# Altium PCB Booster_Main_Board.PcbDoc (part 7 of 11) (continued)
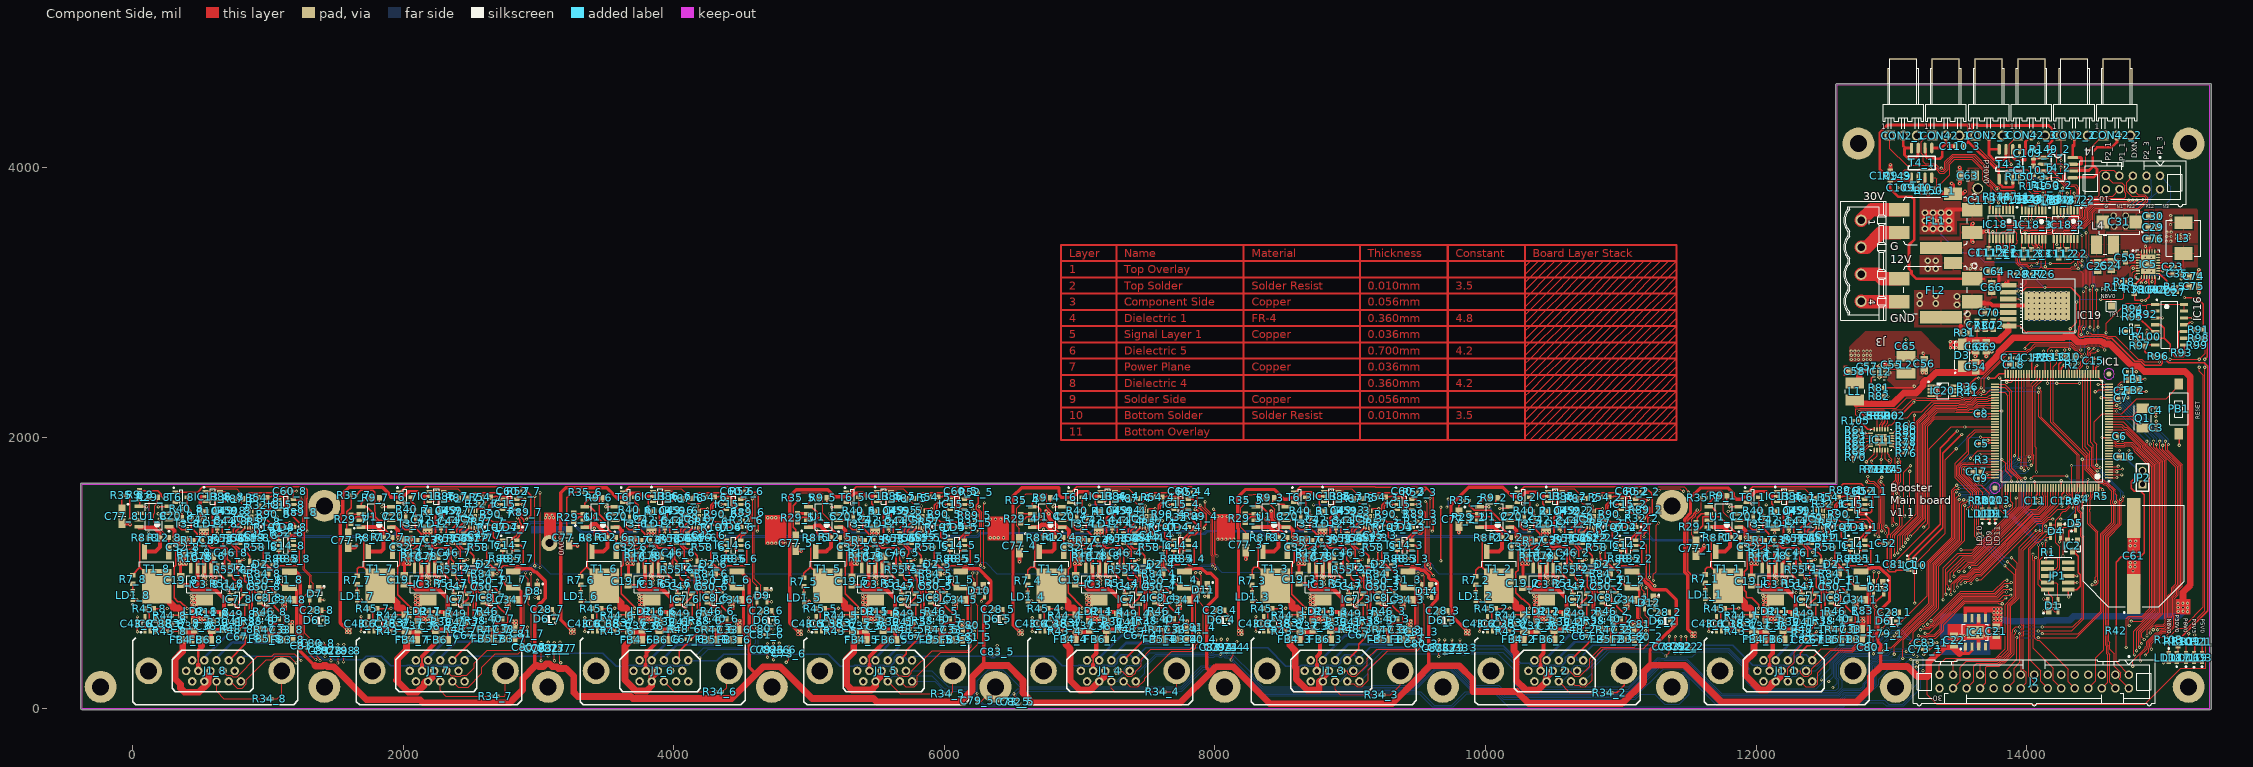
[diagram p0: Component Side view]
## Nets (pads, with @x,y where several pads share a name; then routed paths per layer and width w, separated by ;. In a path a pad name is that pad's centre, name@x,y a point inside that pad or via, vN(x,y) a via of type N, cw(c..) or ccw(c..) an arc to the next point about the centre after c; other vN are vias at no path point) (continued)
NetC40_3_2: C40_3.2 IC8_3.4 R47_3.1 | length 362.5
  Component Side w10: 9305.51,625.71 9295.78,625.71 9295.03,626.46 9304.76,626.46 9380.27,626.46 9387.72,633.9 9387.72,682.14 9314.65,755.21 9314.65,771.21 IC8_3.4@9308.26,777.6
  Component Side w20: C40_3.2@9281.22,650 9304.76,626.46 ; 9305.51,625.71 9305.51,580.71 R47_3.1@9306.22,580
NetC40_4_1: C40_4.1 IC8_4.3 R46_4.1 | length 205.4
  Component Side w10: IC8_4.3@7560.72,777.6 7595.13,743.19 7636.13,743.19 7647.68,731.64 R46_4.1@7647.68,715 7647.68,706.64 7690.67,663.65 C40_4.1@7690.67,650
NetC40_4_2: C40_4.2 IC8_4.4 R47_4.1 | length 362.5
  Component Side w10: 7651.97,625.71 7642.24,625.71 7641.49,626.46 7651.22,626.46 7726.72,626.46 7734.17,633.9 7734.17,682.14 7661.1,755.21 7661.1,771.21 IC8_4.4@7654.72,777.6
  Component Side w20: C40_4.2@7627.68,650 7651.22,626.46 ; 7651.97,625.71 7651.97,580.71 R47_4.1@7652.68,580
NetC40_5_1: C40_5.1 IC8_5.3 R46_5.1 | length 205.5
  Component Side w10: IC8_5.3@5907.17,777.57 5945.55,739.19 5986.58,739.19 5994.13,731.64 R46_5.1@5994.13,715 5994.13,706.64 6037.13,663.65 C40_5.1@6037.13,650
NetC40_5_2: C40_5.2 IC8_5.4 R47_5.1 | length 362.5
  Component Side w10: 5998.43,625.71 5988.69,625.71 5987.94,626.46 5997.68,626.46 6073.18,626.46 6080.63,633.9 6080.63,682.14 6007.56,755.21 6007.56,771.21 IC8_5.4@6001.17,777.6
  Component Side w20: C40_5.2@5974.13,650 5997.68,626.46 ; 5998.43,625.71 5998.43,580.71 R47_5.1@5999.13,580
NetC40_6_1: C40_6.1 IC8_6.3 R46_6.1 | length 205.4
  Component Side w10: IC8_6.3@4253.63,777.6 4284.04,747.19 4325.04,747.19 4340.59,731.64 R46_6.1@4340.59,715 4340.59,706.64 4383.58,663.65 C40_6.1@4383.58,650
NetC40_6_2: C40_6.2 IC8_6.4 R47_6.1 | length 362.5
  Component Side w10: 4344.88,625.71 4335.15,625.71 4334.4,626.46 4344.13,626.46 4419.64,626.46 4427.09,633.9 4427.09,682.14 4354.02,755.21 4354.02,771.21 IC8_6.4@4347.63,777.6
  Component Side w20: C40_6.2@4320.59,650 4344.13,626.46 ; 4344.88,625.71 4344.88,580.71 R47_6.1@4345.59,580
NetC40_7_1: C40_7.1 IC8_7.3 R46_7.1 | length 205.4
  Component Side w10: IC8_7.3@2600.09,777.6 2632.5,745.19 2673.5,745.19 2687.05,731.64 R46_7.1@2687.05,715 2687.05,706.64 2730.04,663.65 C40_7.1@2730.04,650
NetC40_7_2: C40_7.2 IC8_7.4 R47_7.1 | length 362.5
  Component Side w10: 2691.34,625.71 2681.61,625.71 2680.86,626.46 2690.59,626.46 2766.1,626.46 2773.54,633.9 2773.54,682.14 2700.47,755.21 2700.47,771.21 IC8_7.4@2694.09,777.6
  Component Side w20: C40_7.2@2667.05,650 2690.59,626.46 ; 2691.34,625.71 2691.34,580.71 R47_7.1@2692.05,580
NetC40_8_1: C40_8.1 IC8_8.3 R46_8.1 | length 205.4
  Component Side w10: IC8_8.3@946.54,776.46 978.81,744.19 1019.81,744.19 1033.5,730.5 R46_8.1@1033.5,713.86 1033.5,705.5 1076.5,662.5 C40_8.1@1076.5,648.86
NetC40_8_2: C40_8.2 IC8_8.4 R47_8.1 | length 362.5
  Component Side w10: 1037.8,624.57 1028.06,624.57 1027.31,625.31 1037.05,625.31 1112.55,625.31 1120,632.76 1120,681 1046.93,754.07 1046.93,770.07 IC8_8.4@1040.54,776.46
  Component Side w20: C40_8.2@1013.5,648.86 1037.05,625.31 ; 1037.8,624.57 1037.8,579.57 R47_8.1@1038.5,578.86
NetC41_1_1: C41_1.1 IC7_1.4 R48_1.1 | length 201.6
  Component Side w10: R48_1.1@12402.76,582.91 12430.51,610.67 C41_1.1@12430.51,635.08 12441.97,646.54 12441.97,765.98 IC7_1.4@12440.35,767.6
NetC41_1_2: C41_1.2 IC7_1.3 R49_1.1 | length 202.3
  Component Side w10: IC7_1.3@12337.99,767.6 12363.72,767.6 12374.19,757.13 12374.19,752.55 12387.55,739.19 12392.13,739.19 12415.55,715.76 R49_1.1@12415.55,697.14 ; C41_1.2@12367.52,635.08 12415.68,683.24 R49_1.1@12415.68,697.14
NetC41_2_1: C41_2.1 IC7_2.4 R48_2.1 | length 201.6
  Component Side w10: R48_2.1@10709.84,582.91 10737.6,610.67 C41_2.1@10737.6,635.08 10749.06,646.54 10749.06,765.98 IC7_2.4@10747.44,767.6
NetC41_2_2: C41_2.2 IC7_2.3 R49_2.1 | length 204.1
  Component Side w10: IC7_2.3@10645.08,767.6 10670.8,767.6 10682.19,756.21 10682.19,748.55 10695.55,735.19 10703.21,735.19 10722.64,715.76 R49_2.1@10722.64,697.14 ; C41_2.2@10674.61,635.08 10722.76,683.24 R49_2.1@10722.76,697.14
NetC41_3_1: C41_3.1 IC7_3.4 R48_3.1 | length 201.6
  Component Side w10: R48_3.1@9056.3,582.91 9084.06,610.67 C41_3.1@9084.06,635.08 9095.51,646.54 9095.51,765.98 IC7_3.4@9093.9,767.6
NetC41_3_2: C41_3.2 IC7_3.3 R49_3.1 | length 200.9
  Component Side w10: IC7_3.3@8991.54,767.6 9017.26,767.6 9025.19,759.67 9025.19,757.55 9038.55,744.19 9040.67,744.19 9069.09,715.76 R49_3.1@9069.09,697.14 ; C41_3.2@9021.06,635.08 9069.22,683.24 R49_3.1@9069.22,697.14
NetC41_4_1: C41_4.1 IC7_4.4 R48_4.1 | length 201.6
  Component Side w10: R48_4.1@7402.76,582.91 7430.51,610.67 C41_4.1@7430.51,635.08 7441.97,646.54 7441.97,765.98 IC7_4.4@7440.35,767.6
NetC41_4_2: C41_4.2 IC7_4.3 R49_4.1 | length 202.9
  Component Side w10: IC7_4.3@7337.99,767.6 7363.72,767.6 7374.19,757.13 7374.19,751.55 7387.55,738.19 7393.13,738.19 7415.55,715.76 R49_4.1@7415.55,697.14 ; C41_4.2@7367.52,635.08 7415.68,683.24 R49_4.1@7415.68,697.14
NetC41_5_1: C41_5.1 IC7_5.4 R48_5.1 | length 201.6
  Component Side w10: R48_5.1@5749.21,582.91 5776.97,610.67 C41_5.1@5776.97,635.08 5788.43,646.54 5788.43,765.98 IC7_5.4@5786.81,767.6
NetC41_5_2: C41_5.2 IC7_5.3 R49_5.1 | length 202
  Component Side w10: IC7_5.3@5684.45,767.6 5710.17,767.6 5712.19,765.58 5712.19,760.55 5734.55,738.19 5738.55,738.19 5762.01,714.73 R49_5.1@5762.01,697.14 ; C41_5.2@5713.98,635.08 5762.13,683.24 R49_5.1@5762.13,697.14
NetC41_6_1: C41_6.1 IC7_6.4 R48_6.1 | length 201.6
  Component Side w10: R48_6.1@4095.67,582.91 4123.43,610.67 C41_6.1@4123.43,635.08 4134.88,646.54 4134.88,765.98 IC7_6.4@4133.27,767.6
NetC41_6_2: C41_6.2 IC7_6.3 R49_6.1 | length 200.5
  Component Side w10: IC7_6.3@4030.91,767.6 4056.63,767.6 4064.19,760.04 4064.19,758.55 4077.55,745.19 4079.04,745.19 4108.46,715.76 R49_6.1@4108.46,697.14 ; C41_6.2@4060.43,635.08 4108.59,683.24 R49_6.1@4108.59,697.14
NetC41_7_1: C41_7.1 IC7_7.4 R48_7.1 | length 201.6
  Component Side w10: R48_7.1@2442.13,582.91 2469.88,610.67 C41_7.1@2469.88,635.08 2481.34,646.54 2481.34,765.98 IC7_7.4@2479.72,767.6
NetC41_7_2: C41_7.2 IC7_7.3 R49_7.1 | length 202
  Component Side w10: IC7_7.3@2377.36,767.6 2403.09,767.6 2412.19,758.5 2412.19,754.55 2425.55,741.19 2429.5,741.19 2454.92,715.76 R49_7.1@2454.92,697.14 ; C41_7.2@2406.89,635.08 2455.05,683.24 R49_7.1@2455.05,697.14
NetC41_8_1: C41_8.1 IC7_8.4 R48_8.1 | length 201.6
  Component Side w10: R48_8.1@788.58,581.77 816.34,609.53 C41_8.1@816.34,633.94 827.8,645.39 827.8,764.84 IC7_8.4@826.18,766.46
NetC41_8_2: C41_8.2 IC7_8.3 R49_8.1 | length 199.7
  Component Side w10: IC7_8.3@723.82,766.46 749.54,766.46 763.19,752.81 763.19,752.55 801.38,714.36 R49_8.1@801.38,696 ; C41_8.2@753.35,633.94 801.5,682.09 R49_8.1@801.5,696
NetC48_1_2: C48_1.2 IC9_1.14 R56_1.2 | length 152.1
  Component Side w10: R56_1.2@12403.17,1228.02 12403.17,1223.65 12432.97,1253.44 12435.76,1253.44 12436.97,1254.65 12436.97,1259.19 12443.41,1265.63 12447.94,1265.63 C48_1.2@12460.17,1277.86 ; C48_1.2@12459.67,1278.36 12464.33,1283.02 12464.33,1302.41 12464.19,1302.55 12464.19,1341.79 IC9_1.14@12464.33,1341.93
NetC48_2_2: C48_2.2 IC9_2.14 R56_2.2 | length 153
  Component Side w10: R56_2.2@10710.26,1228.02 10710.26,1223.65 10740.06,1253.44 10742.84,1253.44 10744.06,1254.65 10744.06,1259.19 10750.5,1265.63 10755.03,1265.63 C48_2.2@10767.26,1277.86 ; C48_2.2@10766.76,1278.36 10771.42,1283.02 10771.42,1304.32 10770.19,1305.55 10770.19,1340.7 IC9_2.14@10771.42,1341.93
NetC48_3_2: C48_3.2 IC9_3.14 R56_3.2 | length 154.2
  Component Side w10: R56_3.2@9056.72,1228.02 9056.72,1223.65 9086.51,1253.44 9089.3,1253.44 9090.51,1254.65 9090.51,1259.19 9096.96,1265.63 9101.49,1265.63 C48_3.2@9113.72,1277.86 ; C48_3.2@9113.22,1278.36 9117.87,1283.02 9117.87,1299.87 9115.19,1302.55 9115.19,1339.24 IC9_3.14@9117.87,1341.93
NetC48_4_2: C48_4.2 IC9_4.14 R56_4.2 | length 154.6
  Component Side w10: R56_4.2@7403.17,1228.02 7403.17,1223.65 7432.97,1253.44 7435.76,1253.44 7436.97,1254.65 7436.97,1259.19 7443.41,1265.63 7447.94,1265.63 C48_4.2@7460.17,1277.86 ; C48_4.2@7459.67,1278.36 7464.33,1283.02 7464.33,1303.41 7461.19,1306.55 7461.19,1338.79 IC9_4.14@7464.33,1341.93
NetC48_5_2: C48_5.2 IC9_5.14 R56_5.2 | length 152.5
  Component Side w10: R56_5.2@5749.63,1228.02 5749.63,1223.65 5779.43,1253.44 5782.21,1253.44 5783.43,1254.65 5783.43,1259.19 5789.87,1265.63 5794.4,1265.63 C48_5.2@5806.63,1277.86 ; C48_5.2@5806.13,1278.36 5810.79,1283.02 5810.79,1300.95 5810.19,1301.55 5810.19,1341.33 IC9_5.14@5810.79,1341.93
NetC48_6_2: C48_6.2 IC9_6.14 R56_6.2 | length 152.9
  Component Side w10: R56_6.2@4096.09,1228.02 4096.09,1223.65 4125.88,1253.44 4128.67,1253.44 4129.88,1254.65 4129.88,1259.19 4136.33,1265.63 4140.86,1265.63 C48_6.2@4153.09,1277.86 ; C48_6.2@4152.59,1278.36 4157.24,1283.02 4157.24,1298.5 4156.19,1299.55 4156.19,1340.87 IC9_6.14@4157.24,1341.93
NetC48_7_2: C48_7.2 IC9_7.14 R56_7.2 | length 152
  Component Side w10: R56_7.2@2442.54,1228.02 2442.54,1223.65 2472.34,1253.44 2475.13,1253.44 2476.34,1254.65 2476.34,1259.19 2482.78,1265.63 2487.32,1265.63 C48_7.2@2499.54,1277.86 ; C48_7.2@2499.04,1278.36 2503.7,1283.02 IC9_7.14@2503.7,1341.93
NetC48_8_2: C48_8.2 IC9_8.14 R56_8.2 | length 152
  Component Side w10: R56_8.2@789,1226.88 789,1222.5 820.01,1253.51 822.8,1253.51 822.8,1258.04 829.24,1264.49 833.77,1264.49 C48_8.2@846,1276.72 ; C48_8.2@845.5,1277.22 850.16,1281.87 IC9_8.14@850.16,1340.79
NetC57_2: C57.2 C58.2 IC12.2 IC12.3 L1.2
NetC62_2: C62.2 IC5.14 R20.2 | length 118.9
  Component Side w10: IC5.14@14946.07,3187.12 14949.2,3183.99 14949.2,3142.63 14946.07,3139.5 14946.07,3117.11 C62.2@14951.86,3111.32 14989.65,3111.32 R20.2@14989.86,3111.11
NetC67_1_1: C67_1.1 J1_1.14 R84_1.1 T2_1.3 | length 909.4
  Component Side w10: J1_1.14@12324.25,353.54 12324.25,406.93 12379.13,461.81 12452.76,461.81 12483.72,492.77 C67_1.1@12483.72,507 ; C67_1.1@12480,507 12480,863.09 12444.17,898.92 T2_1.3@12444.17,994.72 12444.17,1004.43 12468.74,1029 12517.82,1029 R84_1.1@12553.68,993.14
NetC67_2_1: C67_2.1 J1_2.14 R84_2.1 T2_2.3 | length 864.3
  Component Side w10: J1_2.14@10631.34,353.54 10788,510.2 10788,862.18 10751.26,898.92 T2_2.3@10751.26,994.72 10751.26,999.52 10782.74,1031 10821,1031 10858.86,993.14 R84_2.1@10860.76,993.14
NetC67_3_1: C67_3.1 J1_3.14 R84_3.1 T2_3.3 | length 870.2
  Component Side w10: J1_3.14@8977.8,353.54 9062.44,438.19 9062.44,472.44 9126.55,536.55 9126.55,868.67 9099.81,895.41 9099.81,992.63 T2_3.3@9097.72,994.72 9109.19,1006.2 9109.19,1019.45 9129.74,1040 9160.36,1040 R84_3.1@9207.22,993.14
NetC67_4_1: C67_4.1 J1_4.14 R84_4.1 T2_4.3 | length 854.3
  Component Side w10: J1_4.14@7324.25,353.54 7476,505.29 7476,867 7446.81,896.19 7446.81,992.09 T2_4.3@7444.17,994.72 7444.17,996.43 7473.74,1026 7520.82,1026 R84_4.1@7553.68,993.14
NetC67_5_1: C67_5.1 J1_5.14 R84_5.1 T2_5.3 | length 859.2
  Component Side w10: J1_5.14@5670.71,353.54 5718.5,401.34 5718.5,425.5 5824,531 5824,859 5799,884 5799,953 5790.63,961.37 T2_5.3@5790.63,994.72 5790.63,1002.89 5813.55,1025.81 5867.46,1025.81 R84_5.1@5900.13,993.14
NetC67_6_1: C67_6.1 J1_6.14 R84_6.1 T2_6.3 | length 866.3
  Component Side w10: J1_6.14@4017.17,353.54 4040.29,376.67 4040.29,420.29 4173.92,553.92 4173.92,859.08 4152,881 4152,968 4137.09,982.91 T2_6.3@4137.09,994.72 4137.09,999.09 4151.19,1013.19 4151.19,1015.45 4167.74,1032 4207,1032 4245.86,993.14 R84_6.1@4246.59,993.14
NetC67_7_1: C67_7.1 J1_7.14 R84_7.1 T2_7.3 | length 860.8
  Component Side w10: J1_7.14@2363.62,353.54 2516,505.92 2516,862 2499,879 2499,919 2483.54,934.46 T2_7.3@2483.54,994.72 2483.54,995.8 2518.74,1031 2559,1031 2593.05,996.95 R84_7.1@2593.05,993.14
NetC67_8_1: C67_8.1 J1_8.14 R84_8.1 T2_8.3 | length 865.5
  Component Side w10: J1_8.14@710.08,352.4 834,476.32 834,583.21 862.83,612.05 862.83,859.28 842.77,879.35 842.77,926.14 829.19,939.73 829.19,992.77 T2_8.3@830,993.58 834.39,997.98 835.19,997.98 835.19,1013.45 848.55,1026.81 904.69,1026.81 R84_8.1@939.5,992
NetC70_2: C70.2 IC19.5 | length 111.9
  Component Side w6: C70.2@13752.95,2921.06 13757.09,2925.2 IC19.5@13863.19,2925.2
NetC71_1: C71.1 C72.1 IC19.6 R30.1 R31.2 | length 357.9
  Component Side w6: C71.1@13632.87,2861.02 13783.27,2861.02 13799.21,2876.97 13861.42,2876.97 IC19.6@13863.19,2875.2
  Component Side w10: R31.2@13574.8,2775.59 13602.19,2802.98 13602.19,2821.29 13608.63,2827.73 13626.94,2827.73 13632.87,2833.66 C71.1@13632.87,2861.02
NetC77_1_1: C77_1.1 R35_1.2 | length 418.3
  Component Side w6: C77_1.1@11555.12,1232.28 11533.89,1253.51 11533.89,1272.95 11523.95,1282.89 11523.95,1395.83 11552.06,1423.94 11552.06,1432.26 11563.99,1444.19 11573.62,1444.19 11595.67,1466.24 R35_1.2@11595.67,1555.12 ; C77_1.1@11574.8,1212.6 C77_1.1@11574.8,1259.84
NetC77_2_1: C77_2.1 R35_2.2 | length 103.4
  Component Side w10: C77_2.1@9803.15,1448.82 9803.15,1494.88 R35_2.2@9843.7,1535.43
NetC77_3_1: C77_3.1 R35_3.2 | length 291.2
  Component Side w6: C77_3.1@8228.35,1260.18 8228.35,1299.21 8189.61,1337.95 8189.61,1480.57 R35_3.2@8228.35,1519.31
NetC77_4_1: C77_4.1 R35_4.2 | length 290.9
  Component Side w6: C77_4.1@6555.12,1251.97 6555.12,1327.82 6535.29,1347.65 6535.29,1453.67 6535.43,1453.81 6535.43,1478.94 R35_4.2@6574.8,1518.31
NetC77_5_1: C77_5.1 R35_5.2 | length 289.4
  Component Side w10: C77_5.1@4901.57,1271.65 4901.57,1318.9 4881.89,1338.58 4881.89,1497.24 R35_5.2@4921.26,1536.61
NetC77_6_1: C77_6.1 R35_6.2 | length 387.8
  Component Side w10: C77_6.1@3228.35,1311.02 3208.66,1330.71 3208.66,1555.12 3248.03,1594.49 R35_6.2@3327.95,1594.49
NetC77_7_1: C77_7.1 R35_7.2 | length 301.2
  Component Side w10: C77_7.1@1594.49,1291.34 1583.49,1302.34 1583.49,1451.41 1615.35,1483.27 R35_7.2@1615.35,1574.8
NetC77_8_1: C77_8.1 R35_8.2 | length 114.9
  Component Side w10: C77_8.1@-78.74,1468.5 -78.74,1553.94 R35_8.2@-57.87,1574.8
NetD2_1_1: D2_1.1 D2_2.1 D2_3.1 D2_4.1 D2_5.1 D2_6.1 D2_7.1 D2_8.1 IC1.89 IC16.1 IC16.2 IC16.13 IC16.14 R92.2 | length 17251.6
  Component Side w6: v1(899,1066) 902.8,1062.2 D2_8.1@934.96,1062.2 ; v1(2552,1072) 2582,1072 D2_7.1@2584,1070 ; D2_7.1@2587,1064.85 D2_7.1@2588.5,1063.35 ; v1(4209,1061) 4239.7,1061 D2_6.1@4242.05,1063.35 ; v1(5863,1067) 5891.94,1067 D2_5.1@5895.59,1063.35 ; v1(7513,1065) 7547.48,1065 D2_4.1@7549.13,1063.35 ; v1(9168,1067) 9199.02,1067 D2_3.1@9202.68,1063.35 ; v1(10820.67,1078.33) 10829,1070 D2_2.1@10850,1070 ; v1(12514,1074) 12524.65,1063.35 D2_1.1@12549.13,1063.35 ; v1(13026,1076) 13026,1084 13281,1339 13281,1919 13440.53,2078.53 v1(13543,2078.53) IC1.89@13764.74,2078.53 ; v1(13986.19,2657.47) 13986.19,2665.05 14025.59,2704.45 14329.62,2704.45 14363.87,2670.2 14441.93,2670.2 14450.01,2678.29 14535.69,2678.29 14543.2,2670.78 14553.63,2670.78 14572.54,2651.87 14572.54,2643.4 v1(14576.77,2647.64) ; v1(14586.61,2775.59) 14586.61,2844.49 14734.25,2992.13 14842.52,2992.13 14855.48,2979.17 14888.78,2979.17 ; IC16.2@14949.77,2934.63 14947.03,2931.89 R92.2@14888.78,2931.89 14888.78,2979.17 ; IC16.13@15162.37,2934.63 IC16.14@15162.37,2984.63 IC16.1@14949.77,2984.63 14894.24,2984.63 14888.78,2979.17
  Signal Layer 1 w6: v1(13543,2078.53) 13589.73,2078.53 13989,2477.8 13989,2654.67 v1(13986.19,2657.47)
  Solder Side w6: v1(899,1066) 916,1049 982.8,1049 986.8,1045 1049.57,1045 1056.38,1051.81 1073.62,1051.81 1121.49,1003.94 2163.91,1003.94 2181.16,1003.95 ; 2181.18,1003.94 2231.94,1003.94 2281.15,1053.15 2305.72,1053.15 2321.38,1068.81 2338.62,1068.81 2354.28,1053.15 2400.12,1053.15 2402.92,1055.95 2420.16,1055.95 2422.97,1053.15 2533.15,1053.15 v1(2552,1072) 2570.85,1053.15 2736.22,1053.15 2785.43,1003.94 2878.51,1003.94 2895.38,1020.81 2907.84,1020.81 2948.03,1061 2951.19,1061 2951.19,1061.62 2963.38,1073.81 2980.62,1073.81 2992.81,1061.62 2992.81,1059.19 3001.76,1059.19 3003.38,1060.81 3020.62,1060.81 3087.34,994.09 3807.61,994.09 3817.47,1003.95 3834.71,1003.95 3844.56,994.09 3892.09,994.09 3959,1061 3972.57,1061 3980.38,1068.81 3997.62,1068.81 4013.28,1053.15 4053.66,1053.15 4056.47,1055.95 4073.71,1055.95 4076.51,1053.15 4201.15,1053.15 v1(4209,1061) 4219.86,1050.14 4289.89,1050.14 4293.89,1046.14 4356.66,1046.14 4363.47,1052.95 4380.71,1052.95 4392.9,1040.76 4392.9,1030.33 4431.04,992.19 5459.25,992.19 5471.01,1003.95 5488.25,1003.95 5562.51,1003.94 5632.38,1073.81 5649.62,1073.81 5670.28,1053.15 5707.21,1053.15 5710.01,1055.95 5727.25,1055.95 5730.05,1053.15 5849.15,1053.15 v1(5863,1067) 5879.86,1050.14 5943.43,1050.14 5947.43,1046.14 6010.2,1046.14 6017.01,1052.95 6034.25,1052.95 6046.44,1040.76 6046.44,1030.33 6072.83,1003.94 6171.26,1003.94 6245.13,1077.81 6304.08,1077.81 6387.8,994.09 7114.69,994.09 7124.55,1003.95 7141.79,1003.95 7151.65,994.09 7210.66,994.09 7286.38,1069.81 7303.62,1069.81 7308.43,1065 v1(7513,1065) 7527.86,1050.14 7596.97,1050.14 7600.97,1046.14 7663.74,1046.14 7670.55,1052.95 7687.79,1052.95 7699.98,1040.76 7699.98,1040.17 7706.69,1033.46 7872.49,1033.46 7901.03,1062 7963.57,1062 7972.38,1070.81 7989.62,1070.81 8001.81,1058.62 8001.81,1053.31 8004.31,1050.81 8012.62,1050.81 8024.81,1038.62 8024.81,1030.31 8051.18,1003.94 8778.08,1003.94 8795.34,1003.95 8878.51,1003.94 8941.38,1066.81 8958.62,1066.81 8972.28,1053.15 9014.29,1053.15 9017.1,1055.95 9034.34,1055.95 9037.14,1053.15 9154.15,1053.15 v1(9168,1067) 9184.86,1050.14 9250.52,1050.14 9254.52,1046.14 9317.29,1046.14 9324.1,1052.95 9341.34,1052.95 9380.51,1013.78 9485.35,1013.78 9492.38,1020.81 9508.38,1020.81 9554.19,1066.62 9554.19,1068.62 9566.38,1080.81 9583.62,1080.81 9612.81,1051.62 9612.81,1036.8 9655.51,994.09 10421.78,994.09 10431.64,1003.95 10448.88,1003.95 10505.94,1003.94 10580.81,1078.81 10614.1,1078.81 10639.76,1053.15 10665.72,1053.15 10670.38,1057.81 10687.62,1057.81 10692.28,1053.15 10741.14,1053.15 10750.98,1062.99 10805.33,1062.99 v1(10820.67,1078.33) 10848.86,1050.14 10904.06,1050.14 10908.06,1046.14 10970.83,1046.14 10977.64,1052.95 10994.88,1052.95 11004.53,1043.31 11073.26,1043.31 11122.47,994.09 12114.69,994.09 12124.55,1003.95 12141.79,1003.95 12151.65,994.09 12191.09,994.09 12240.31,1043.31 12255.88,1043.31 12285.38,1072.81 12302.62,1072.81 12314.81,1060.62 12314.81,1054.52 12326.03,1043.31 12348.88,1043.31 12350.86,1045.29 12350.86,1047.72 12363.05,1059.91 12383.04,1059.91 12392.81,1050.14 12490.14,1050.14 v1(12514,1074) 12537.86,1050.14 12596.97,1050.14 12600.97,1046.14 12663.74,1046.14 12670.55,1052.95 12687.79,1052.95 12717.12,1023.62 12856.19,1023.62 12862.38,1029.81 12879.62,1029.81 12885.81,1023.62 12896.19,1023.62 12897.38,1024.81 12914.62,1024.81 12915.81,1023.62 12955.19,1023.62 12984.38,1052.81 12998.38,1052.81 13014,1068.43 13014,1074 ; v1(14576.77,2647.64) 14576.77,2687.01 14586.61,2696.85 v1(14586.61,2775.59)
NetD2_1_2: D2_1.2 IC14_1.3 R88_1.1 | length 133.7
  Component Side w10: D2_1.2@12651.5,1063.35 12674.38,1063.35 12694.8,1083.77 IC14_1.3@12694.8,1165.74
NetD2_2_2: D2_2.2 IC14_2.3 R88_2.1 | length 133.7
  Component Side w10: D2_2.2@10958.58,1063.35 10981.46,1063.35 11001.89,1083.77 IC14_2.3@11001.89,1165.74
NetD2_3_2: D2_3.2 IC14_3.3 R88_3.1 | length 133.7
  Component Side w10: D2_3.2@9305.04,1063.35 9327.92,1063.35 9348.35,1083.77 IC14_3.3@9348.35,1165.74
NetD2_4_2: D2_4.2 IC14_4.3 R88_4.1 | length 133.7
  Component Side w10: D2_4.2@7651.5,1063.35 7674.38,1063.35 7694.8,1083.77 IC14_4.3@7694.8,1165.74
NetD2_5_2: D2_5.2 IC14_5.3 R88_5.1 | length 133.7
  Component Side w10: D2_5.2@5997.95,1063.35 6020.83,1063.35 6041.26,1083.77 IC14_5.3@6041.26,1165.74
NetD2_6_2: D2_6.2 IC14_6.3 R88_6.1 | length 133.7
  Component Side w10: D2_6.2@4344.41,1063.35 4367.29,1063.35 4387.72,1083.77 IC14_6.3@4387.72,1165.74
NetD2_7_2: D2_7.2 IC14_7.3 R88_7.1 | length 133.7
  Component Side w10: D2_7.2@2690.87,1063.35 2713.75,1063.35 2734.17,1083.77 IC14_7.3@2734.17,1165.74
NetD2_8_2: D2_8.2 IC14_8.3 R88_8.1 | length 133.7
  Component Side w10: D2_8.2@1037.32,1062.2 1060.2,1062.2 1080.63,1082.63 IC14_8.3@1080.63,1164.6
NetD5_1: D5.1 IC2.2 | length 122.4
  Component Side w10: IC2.2@14304,1242 14311.02,1249.02 14311.02,1309.06 14318.9,1316.93 D5.1@14360.24,1316.93
NetFB3_1_2: FB3_1.2 J1_1.13 | length 559.5
  Component Side w20: v1(12670,510) FB3_1.2@12709.57,510
  Solder Side w20: J1_1.13@12214.88,353.54 12359.36,498.02 12658.02,498.02 v1(12670,510)
NetFB3_2_2: FB3_2.2 J1_2.13 | length 567.4
  Component Side w10: v1(10985,510) FB3_2.2@11024.57,510
  Solder Side w20: J1_2.13@10521.97,353.54 10659.43,491 10966,491 v1(10985,510)
NetFB3_3_2: FB3_3.2 J1_3.13 | length 585.9
  Component Side w20: v1(9345,510) FB3_3.2@9389.57,510
  Solder Side w20: J1_3.13@8868.43,353.54 8987.88,473 9308,473 v1(9345,510)
NetFB3_4_2: FB3_4.2 J1_4.13 | length 564.5
  Component Side w20: v1(7670,500) 7680,510 FB3_4.2@7714.57,510
  Solder Side w20: J1_4.13@7214.88,353.54 7343.34,482 7652,482 v1(7670,500)
NetFB3_5_2: FB3_5.2 J1_5.13 | length 561
  Component Side w20: v1(6020,495) 6030,505 FB3_5.2@6059.57,505
  Solder Side w20: J1_5.13@5561.34,353.54 5692.8,485 6010,485 v1(6020,495)
NetFB3_6_2: FB3_6.2 J1_6.13 | length 564.5
  Component Side w20: v1(4365,490) 4380,505 FB3_6.2@4409.57,505
  Solder Side w20: J1_6.13@3907.8,353.54 4025.25,471 4346,471 v1(4365,490)
NetFB3_7_2: FB3_7.2 J1_7.13 | length 558
  Component Side w20: v1(2709,491) 2735.57,491 FB3_7.2@2749.57,505
  Solder Side w20: J1_7.13@2254.25,353.54 2391.71,491 v1(2709,491)
NetFB3_8_2: FB3_8.2 J1_8.13 | length 573.6
  Component Side w20: v1(1070,505) FB3_8.2@1109.57,505
  Solder Side w20: J1_8.13@600.71,352.4 735.31,487 751.67,487 753.48,485.19 1050.19,485.19 v1(1070,505)
NetFB4_1_1: FB4_1.1 J1_1.2 J1_1.8 | length 692.7
  Component Side w50: FB4_1.1@12004.57,500 11984.17,479.61 11984.17,409.37 11919.29,344.49 11919.29,244.22 12028.37,135.14 12080.14,135.14 12116.75,171.75 12116.75,187.01 12133.62,187.01 J1_1.2@12144.25,197.64 12189.33,242.72 J1_1.8@12189.33,275.59
NetFB4_2_1: FB4_2.1 J1_2.2 J1_2.8 | length 687.4
  Component Side w50: FB4_2.1@10209.57,510 10209.57,425.43 10226.38,408.62 10226.38,206.69 10297.93,135.14 10387.23,135.14 10449.72,197.64 J1_2.2@10451.34,197.64 10451.34,230.51 J1_2.8@10496.42,275.59
NetFB4_3_1: FB4_3.1 J1_3.2 J1_3.8 | length 702.6
  Component Side w50: FB4_3.1@8554.57,510 8554.57,465.43 8592.52,427.48 8592.52,305.12 8600.38,297.26 8600.38,216.67 8681.91,135.14 8770.29,135.14 8770.29,197.64 J1_3.2@8797.8,197.64 8797.8,230.51 J1_3.8@8842.87,275.59
NetFB4_4_1: FB4_4.1 J1_4.2 J1_4.8 | length 682.8
  Component Side w50: FB4_4.1@6899.57,510 6899.57,470.43 6929.13,440.87 6929.13,206.69 7000.68,135.14 7080.14,135.14 7142.63,197.64 J1_4.2@7144.25,197.64 7189.33,242.72 J1_4.8@7189.33,275.59
NetFB4_5_1: FB4_5.1 J1_5.2 J1_5.8 | length 734.2
  Component Side w50: FB4_5.1@5354.57,505 5330.63,481.06 5330.63,419.21 5275.59,364.17 5275.59,177.17 5317.61,135.14 5459.95,135.14 5490.71,165.91 J1_5.2@5490.71,197.64 5535.79,242.72 J1_5.8@5535.79,275.59
NetFB4_6_1: FB4_6.1 J1_6.2 J1_6.8 | length 764.2
  Component Side w50: FB4_6.1@3677.09,497.95 3639.75,460.61 3639.75,208.68 3720.47,127.95 3799.21,127.95 3837.17,165.91 J1_6.2@3837.17,197.64 3837.17,230.51 ; 3837.17,230.51 J1_6.8@3882.24,275.59 3876.23,281.6 3869.68,275.05 3854.74,275.05 3854.74,249.7 3837.17,232.13 3837.17,230.51
NetFB4_7_1: FB4_7.1 J1_7.2 J1_7.8 | length 742.1
  Component Side w50: FB4_7.1@2029.57,505 2023.54,498.98 2023.54,429.06 1958.66,364.17 1958.66,216.54 1948.82,206.69 2037.4,118.11 2102.48,118.11 2156.12,171.75 2156.12,187.61 2166.14,197.64 J1_7.2@2183.62,197.64 2228.7,242.72 J1_7.8@2228.7,275.59
NetFB4_8_1: FB4_8.1 J1_8.2 J1_8.8 | length 812.9
  Component Side w50: FB4_8.1@364.57,505 370,499.57 370,419.21 314.96,364.17 314.96,216.54 354.33,177.17 354.33,147.64 383.86,118.11 492.13,118.11 557.58,183.57 557.58,224 ; J1_8.2@530.08,196.5 557.58,224 ; J1_8.8@575.16,274.45 575.16,241.58 ; 557.58,224 557.58,239.96 573.54,239.96 ; 557.58,224 573.54,239.96 ; 573.54,239.96 575.16,241.58 ; 573.54,239.96 574.02,239.96 575.16,241.1 575.16,241.58
NetFB5_1_2: FB5_1.2 J1_1.12 | length 522.2
  Component Side w10: v1(12520.17,537.14) 12527.86,537.14 12554.57,510.43 FB5_1.2@12554.57,510 FB5_1.2@12554.57,505
  Solder Side w20: J1_1.12@12124.88,353.54 12308.48,537.14 v1(12520.17,537.14)
NetFB5_2_2: FB5_2.2 J1_2.12 | length 528.9
  Component Side w10: v1(10827.26,537.14) 10852.86,537.14 10864.57,525.43 FB5_2.2@10864.57,510
  Solder Side w20: J1_2.12@10431.97,353.54 10615.57,537.14 v1(10827.26,537.14)
NetFB5_3_2: FB5_3.2 J1_3.12 | length 526.6
  Component Side w20: v1(9173.72,537.14) 9192.86,537.14 9214.57,515.43 FB5_3.2@9214.57,510
  Solder Side w20: J1_3.12@8778.43,353.54 8962.03,537.14 v1(9173.72,537.14)
NetFB5_4_2: FB5_4.2 J1_4.12 | length 517
  Component Side w20: v1(7520.17,537.14) 7527.43,537.14 FB5_4.2@7554.57,510
  Solder Side w20: J1_4.12@7124.88,353.54 7308.48,537.14 v1(7520.17,537.14)
NetFB5_5_2: FB5_5.2 J1_5.12 | length 525.8
  Component Side w30: v1(5866.63,537.14) 5877.86,537.14 5904.57,510.43 FB5_5.2@5904.57,505
  Solder Side w20: J1_5.12@5471.34,353.54 5654.94,537.14 v1(5866.63,537.14)
NetFB5_6_2: FB5_6.2 J1_6.12 | length 524.3
  Component Side w30: v1(4213.09,537.14) 4222.86,537.14 4249.57,510.43 FB5_6.2@4249.57,505
  Solder Side w20: J1_6.12@3817.8,353.54 4001.4,537.14 v1(4213.09,537.14)
NetFB5_7_2: FB5_7.2 J1_7.12 | length 515.5
  Component Side w10: v1(2559.54,537.14) 2572.43,537.14 FB5_7.2@2594.57,515
  Solder Side w20: J1_7.12@2164.25,353.54 2347.85,537.14 v1(2559.54,537.14)
NetFB5_8_2: FB5_8.2 J1_8.12 | length 533.7
  Component Side w20: v1(906,536) 939,536 949.57,525.43 FB5_8.2@949.57,515
  Solder Side w20: J1_8.12@510.71,352.4 699.12,540.81 901.19,540.81 v1(906,536)
NetFB6_1_1: FB6_1.1 J1_1.7 | length 251.1
  Component Side w12: 12099.25,382.78 12099.25,324.3 12099.33,324.22
  Component Side w30: 12099.25,382.78 12122.51,406.04 12122.51,492.94 FB6_1.1@12139.57,510 ; J1_1.7@12099.33,275.59 12099.33,324.22
NetFB6_2_1: FB6_2.1 J1_2.7 | length 248.2
  Component Side w12: 10406.34,324.3 10406.34,382.78
  Component Side w30: 10406.34,324.3 10406.42,324.22 J1_2.7@10406.42,275.59 ; 10406.34,382.78 10429.59,406.04 10429.59,500.03 FB6_2.1@10439.57,510
NetFB6_3_1: FB6_3.1 J1_3.7 | length 247.6
  Component Side w12: 8752.8,324.3 8752.8,382.78
  Component Side w30: 8752.8,324.3 8752.87,324.22 J1_3.7@8752.87,275.59 ; 8752.8,382.78 8776.05,406.04 8776.05,501.48 FB6_3.1@8784.57,510
NetFB6_4_1: FB6_4.1 J1_4.7 | length 244.9
  Component Side w12: 7099.25,324.3 7099.25,382.78
  Component Side w30: 7099.25,324.3 7099.33,324.22 J1_4.7@7099.33,275.59 ; 7099.25,382.78 7122.51,406.04 7122.51,507.94 FB6_4.1@7124.57,510